# Altium PCB PCB_FINAL_5.PcbDoc (part 2 of 2) (continued)
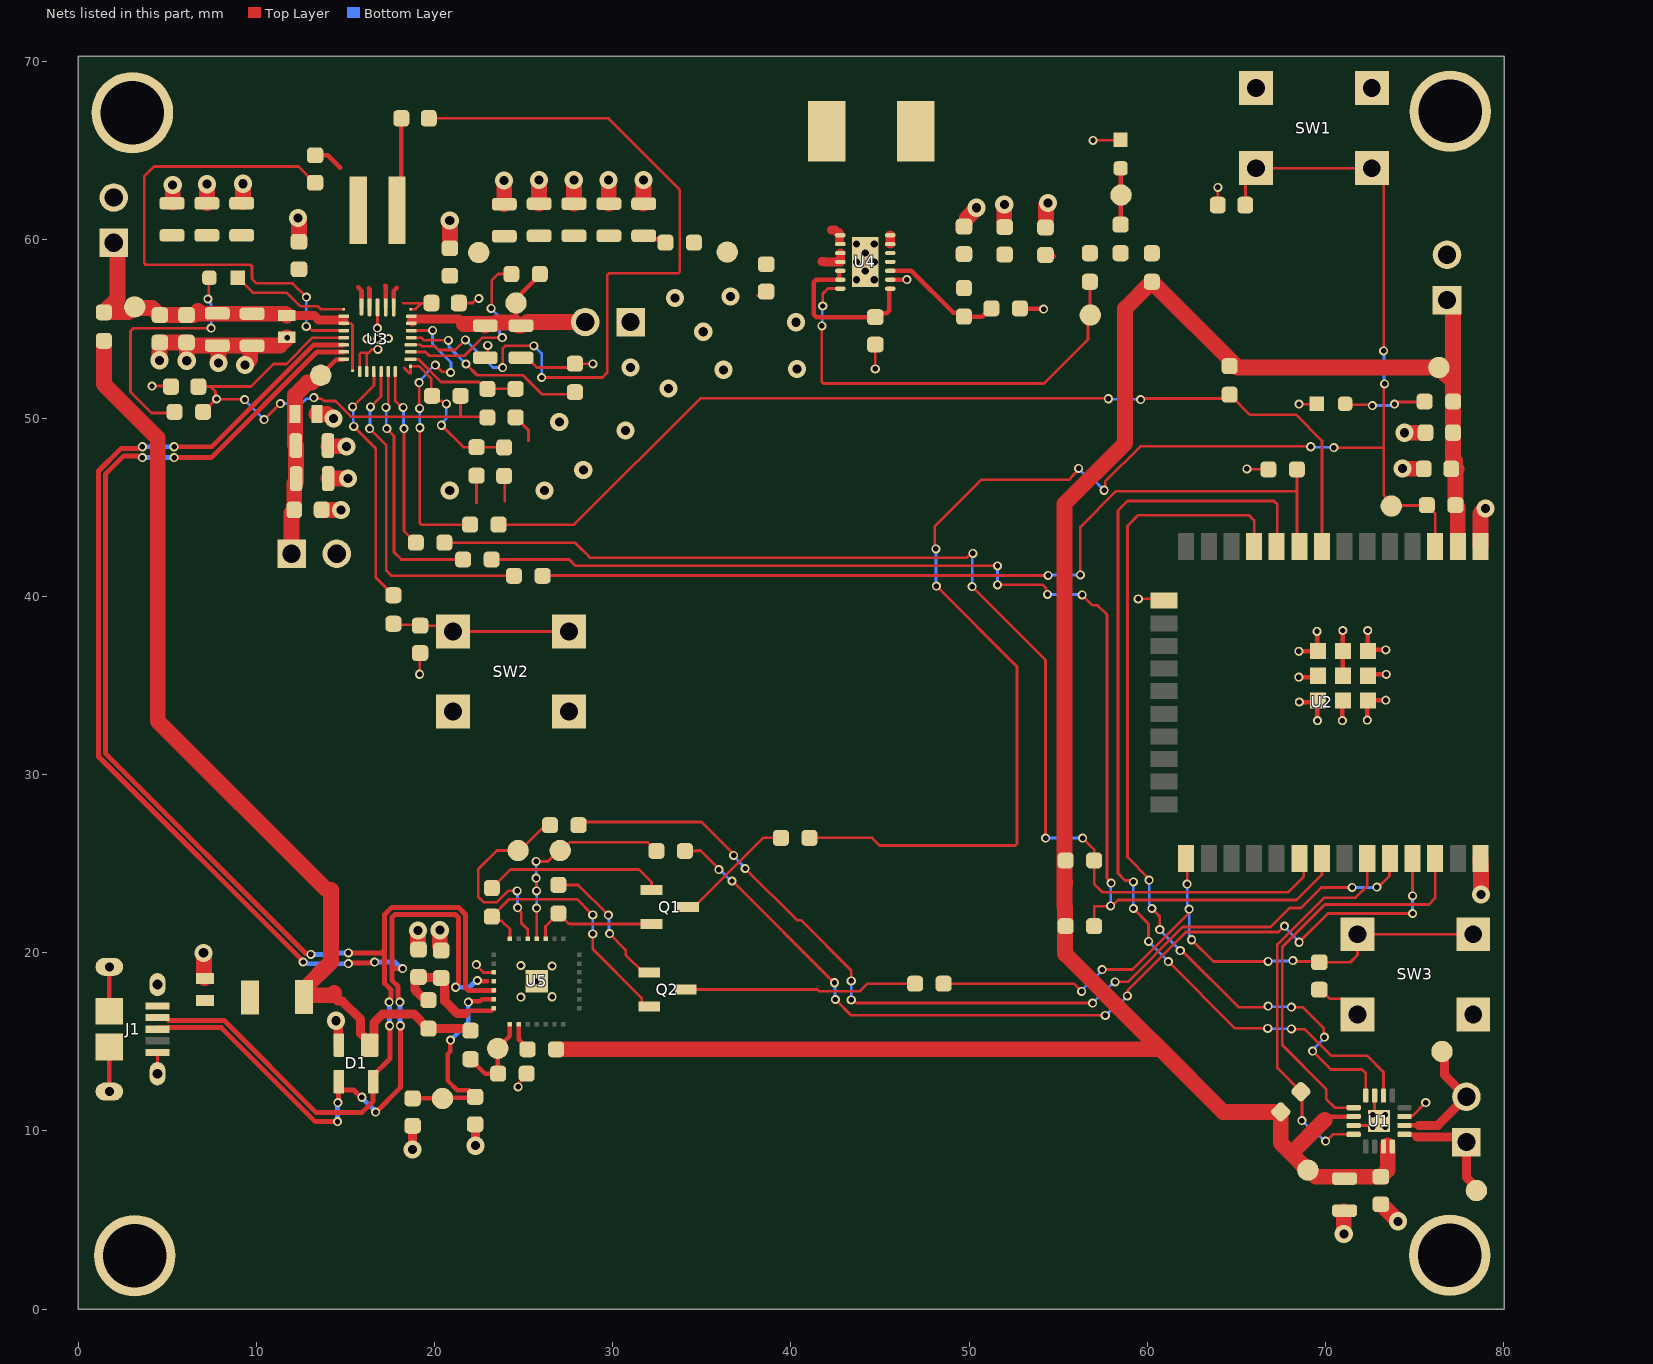
[diagram p2: the nets of this part, all layers, seen from the top]
## Nets (pads, with @x,y where several pads share a name; then routed paths per layer and width w, separated by ;. In a path a pad name is that pad's centre, name@x,y a point inside that pad or via, vN(x,y) a via of type N, cw(c..) or ccw(c..) an arc to the next point about the centre after c; other vN are vias at no path point)
5V_DC_IN: D1.1 F1.1 R2.1 R20.2 R40.1 | length 55.6
  Top Layer w0.152: 13.868,23.597 14.109,23.597 14.199,23.507
  Top Layer w0.508: 14.376,17.729 14.376,17.479 14.572,17.283 14.822,17.283 15.85,16.256 15.85,15.471 16.358,14.963 D1.1@16.358,14.808 16.599,15.049 16.599,16.065 17.094,16.561 18.834,16.561 R40.1@19.66,15.735 21.907,15.735 R20.2@22.022,15.621
  Top Layer w0.889: R2.1@1.448,54.331 1.448,51.892 4.47,48.87 4.47,32.995 13.868,23.597 ; F1.1@12.675,17.501 12.675,17.564 12.725,17.615 14.371,17.615 14.376,17.62 14.376,17.729 ; F1.1@12.675,17.958 14.199,19.482 14.199,23.507
BCLK: U1.16 U2.11 | length 50.2
  Top Layer w0.152: v1(60.096,24.074) 60.096,24.141 58.877,25.36 58.877,43.942 59.487,44.552 65.684,44.552 65.989,44.247 65.989,42.792 U2.11@65.985,42.788 ; v1(60.249,22.479) 60.692,22.036 v1(60.692,21.293) ; v1(61.843,20.116) 61.926,20.116 65.1,16.942 66.718,16.942 v1(66.773,16.996) ; v1(68.072,16.942) 68.707,16.942 69.901,15.748 69.901,15.291 v1(69.926,15.265) ; v1(69.266,14.478) 70.293,13.451 72.045,13.451 72.247,13.249 U1.16@72.247,11.979
  Bottom Layer w0.152: v1(60.096,24.074) 60.096,22.728 60.249,22.575 v1(60.249,22.479) ; v1(60.692,21.293) 60.692,21.28 61.843,20.129 v1(61.843,20.116) ; v1(66.773,16.996) 66.8,16.969 68.045,16.969 v1(68.072,16.942) ; v1(69.266,14.478) 69.266,14.541 69.926,15.202 v1(69.926,15.265)
BQ_CE: R22.1 R30.1 U2.9 | length 50.8
  Top Layer w0.152: R30.1@26.06,41.148 26.073,41.161 54.419,41.161 v1(54.432,41.173) ; v1(56.236,41.199) 56.236,43.891 58.242,45.898 68.389,45.898 ; R22.1@68.389,47.117 68.389,45.898 ; U2.9@68.389,43.223 68.389,45.898 ; U2.9@68.389,43.223 68.389,42.923 U2.9@68.525,42.788 68.525,43.088 U2.9@68.389,43.223
  Bottom Layer w0.152: v1(54.432,41.173) 54.445,41.186 56.223,41.186 v1(56.236,41.199)
BQ_INT: R16.1 R29.1 U2.8 | length 56.2
  Top Layer w0.152: R29.1@23.596,44.018 27.833,44.018 34.919,51.105 57.785,51.105 v1(57.81,51.079) ; v1(59.614,51.029) 59.682,51.097 64.559,51.097 R16.1@64.618,51.156 ; R16.1@64.618,51.308 65.735,50.19 68.326,50.19 69.795,48.722 U2.8@69.795,42.788
  Bottom Layer w0.152: v1(57.81,51.079) 57.836,51.054 59.588,51.054 v1(59.614,51.029)
BQ_SCL: R9.1 R33.1 U2.31 | length 68.6
  Top Layer w0.152: R33.1@23.203,42.062 27.559,42.062 27.915,41.707 v1(51.587,41.707) ; v1(51.587,40.637) 54.132,40.637 54.324,40.444 54.324,40.175 v1(54.392,40.107) ; v1(56.332,40.081) 56.925,39.488 57.209,39.488 57.734,38.964 57.734,24.168 57.963,23.94 v1(57.963,23.901) ; R9.1@57.01,21.488 57.01,22.606 57.912,22.606 v1(57.937,22.631) 58.028,22.631 58.358,22.962 68.377,22.962 69.795,24.379 U2.31@69.795,25.288
  Bottom Layer w0.152: v1(51.587,40.637) v1(51.587,41.707) ; v1(54.392,40.107) 54.405,40.094 56.319,40.094 v1(56.332,40.081) ; v1(57.937,22.631) 57.95,22.644 57.95,23.889 v1(57.963,23.901)
BQ_SDA: R7.1 R32.1 U2.30 | length 66.2
  Top Layer w0.152: R32.1@20.548,43.002 27.875,43.002 28.713,42.164 49.866,42.164 50.107,42.405 v1(50.203,42.405) ; v1(50.165,40.538) 54.28,36.424 v1@54.28,26.429 ; v1(56.363,26.429) 57.01,25.781 R7.1@57.01,25.171 57.01,23.849 57.466,23.393 57.85,23.393 67.907,23.393 68.766,24.252 68.766,25.046 U2.30@68.525,25.288
  Bottom Layer w0.152: v1(50.165,40.538) 50.165,42.367 v1(50.203,42.405) ; v1(54.292,26.429) v1(56.363,26.429)
CP_RX: R43.1 U2.35 | length 51.6
  Top Layer w0.152: R43.1@34.049,25.705 34.727,25.705 34.753,25.73 34.925,25.73 35.954,24.701 v1(35.954,24.657) ; v1(36.69,24.022) 36.713,24.022 42.421,18.313 v1(42.443,18.313) ; v1(42.494,17.374) 43.383,16.485 v1(57.633,16.485) ; v1(58.879,17.573) 58.913,17.607 58.913,17.917 62.154,21.158 67.361,21.158 v1(67.691,21.488) ; v1(68.509,20.584) 70.125,22.2 v1(74.879,22.2) ; U2.35@74.875,25.288 74.879,25.283 v1(74.879,23.19)
  Bottom Layer w0.152: v1(35.954,24.657) 36.005,24.657 36.64,24.022 v1(36.69,24.022) ; v1(42.443,18.313) 42.469,18.288 42.469,17.399 v1(42.494,17.374) ; v1(57.633,16.485) 57.682,16.485 57.999,16.801 58.107,16.801 v1@58.874,17.568 ; v1(67.691,21.488) 67.691,21.445 68.509,20.627 v1(68.509,20.584) ; v1(74.879,22.2) v1(74.879,23.19)
CP_TX: R42.1 U2.34 | length 54.7
  Top Layer w0.152: R42.1@28.08,27.33 34.976,27.33 36.78,25.526 v1(36.78,25.456) ; v1(37.431,24.724) 40.331,21.825 40.552,21.825 43.383,18.994 v1(43.383,18.415) ; v1(43.383,17.348) 43.472,17.348 43.65,17.17 v1(56.921,17.17) ; v1(58.191,18.364) 58.903,18.364 61.976,21.438 66.904,21.438 67.97,22.504 68.605,22.504 69.761,23.66 v1(71.488,23.66) ; v1(72.873,23.673) 72.949,23.673 73.578,24.302 73.578,25.261 U2.34@73.605,25.288
  Bottom Layer w0.152: v1(36.78,25.456) 36.78,25.416 37.431,24.764 v1(37.431,24.724) ; v1(43.383,17.348) v1(43.383,18.415) ; v1(56.921,17.17) 58.115,18.364 v1(58.191,18.364) ; v1(71.488,23.66) 72.86,23.66 v1(72.873,23.673)
DIN: U1.1 U2.36 | length 23.2
  Top Layer w0.152: U1.1@71.572,11.304 70.512,11.304 70.028,11.788 70.028,12.344 67.564,14.808 67.564,20.32 69.952,22.708 75.794,22.708 76.145,23.059 U2.36@76.145,25.288
DTR_T: Q2.2 R23.2 U5.28 | length 14.9
  Top Layer w0.152: U5.28@24.23,20.79 24.23,21.325 23.768,21.787 23.45,21.787 R23.2@23.216,22.022 24.193,23 27.649,23 28,23 v1(28.878,22.122) ; v1(28.878,21.058) 28.878,20.195 31.621,17.452 31.621,17.186 31.824,16.982 Q2.2@32.05,16.982
  Bottom Layer w0.152: v1(28.878,21.058) v1(28.878,22.122)
FB: R12.1 R14.2 U4.3 | length 7
  Top Layer w0.254: U4.3@45.536,58.266 46.75,58.266 49.118,55.899 49.499,55.899 R12.1@49.708,55.69 50.735,55.69 51.192,56.147 R14.2@51.245,56.147
GND: C1.1 C2.2 C3.2 C4.2 C5.2 C6.2 C7.2 C8.2 C9.2 C10.2 C11.2 C12.2 C13.2 C14.2 C15.2 C16.2 C18.1 C19.2 C20.2 C22.2 C23.2 C24.2 C25.2 C26.2 C27.2 C28.2 C29.2 C30.2 C31.2 C32.2 C33.2 C34.1 C35.2 C36.2 C37.2 C38.2 C39.2 D1.2 D2.2 D3.2 D6.2 H1.1 H3.2 H4.2 H5.2 J1.5 J1.S1 J1.S2 J1.S3 J1.S4 J1.S5 J1.S6 LED2.C LED3.C MH1.1 MH2.1 MH3.1 MH4.1 R4.2 R11.1 R14.1 R21.1 R22.2 R25.1 R31.2 SW1.3 SW1.4 SW2.1 SW2.2 SW3.1 SW3.2 U1.3 U1.11 U1.15 U1.17 U2.1 U2.15 U2.38 U2.39 U3.10 U3.11 U3.27 U4.2 U4.15 U5.3 U5.29 | length 106.8
  Top Layer w0.152: v1(4.148,51.791) 5.182,51.791 C18.1@5.207,51.765 ; J1.S2@4.453,13.207 J1.5@4.453,14.407 ; C35.2@4.572,54.222 C35.2@4.584,54.234 ; C10.2@5.27,62.051 C10.2@5.309,62.089 ; C39.2@6.057,54.208 C39.2@6.096,54.17 ; D6.2@7.087,18.57 D6.2@7.112,18.545 ; C9.2@7.226,62.051 C9.2@7.239,62.064 ; C6.2@7.81,54.067 C6.2@7.874,54.003 ; C8.2@9.181,62.051 C8.2@9.246,62.115 ; C5.2@14.018,48.451 C5.2@14.057,48.412 ; C4.2@14.029,46.596 C4.2@14.042,46.609 ; U3.10@15.801,52.607 15.801,53.581 15.878,53.658 16.278,53.658 ; U3.11@16.201,52.607 16.201,53.581 16.278,53.658 ; v1(16.795,55.047) 16.801,55.053 U3.27@16.801,56.207 ; v1(16.82,53.853) 16.489,53.853 16.293,53.658 16.278,53.658 ; C32.2@18.667,10.183 C32.2@18.768,10.285 ; C30.2@19.075,20.234 C30.2@19.152,20.158 ; v1@19.138,35.573 19.138,35.598 v1(19.164,35.624) 19.164,36.784 C37.2@19.189,36.809 ; C31.2@20.295,20.369 C31.2@20.574,20.09 ; C38.2@21.364,56.452 22.141,56.452 22.395,56.706 v1(22.491,56.706) ; C33.2@22.273,10.369 C33.2@22.324,10.318 ; v1(22.352,19.329) 22.352,19.279 22.741,18.89 U5.3@23.33,18.89 ; 22.354,45.24 22.354,46.759 R11.1@22.357,46.762 ; C20.2@22.847,53.382 22.987,53.522 v1(22.987,54.077) ; R25.1@23.906,46.749 23.942,46.713 23.942,45.324 ; R4.2@24.548,50.038 25.273,49.314 25.273,48.717 ; v1(24.689,12.471) 24.757,12.539 24.757,12.713 25.171,13.127 R21.1@25.171,13.208 ; C19.2@24.853,53.382 25.203,53.382 25.753,52.832 27.877,52.832 28.086,53.041 28.874,53.041 v1(28.88,53.035) ; 38.125,56.871 38.174,56.871 38.258,56.786 C25.2@38.608,56.786 ; v1(44.729,52.756) C29.2@44.729,54.119 ; C23.2@51.968,61.044 C23.2@51.994,61.019 ; v1(56.947,65.583) 58.471,65.583 LED2.C@58.496,65.608 ; v1(59.487,39.853) 60.825,39.853 U2.15@60.925,39.753 ; C3.2@63.949,61.951 63.953,61.955 63.953,62.937 v1(63.957,62.941) ; v1(65.583,47.142) 65.596,47.13 66.777,47.13 R22.2@66.789,47.117 ; v1(68.504,50.775) 69.469,50.775 LED3.C@69.495,50.8 ; U2.39@69.488,35.461 U2.39@69.565,35.538 ; U2.39@69.491,34.064 U2.39@69.565,34.138 U2.39@69.542,34.115 ; U2.39@69.517,36.985 U2.39@69.565,36.938 U2.39@69.536,36.909 ; C34.1@69.647,17.924 69.719,17.924 70.235,17.409 70.909,17.409 SW3.2@71.783,16.535 ; U2.39@70.939,34.112 U2.39@70.965,34.138 ; C1.1@71.018,5.483 C1.1@71.062,5.526 ; U1.3@71.572,10.304 72.536,10.304 v1(72.641,10.199) ; U2.39@72.336,34.109 U2.39@72.365,34.138 U2.39@72.393,34.166 ; U2.39@72.362,36.941 U2.39@72.365,36.938 U2.39@72.412,36.985 ; U2.39@72.365,35.538 U2.39@72.441,35.614 ; v1(72.641,10.91) 72.747,11.016 U1.15@72.747,11.979 ; U1.11@74.422,10.804 74.476,10.859 74.892,10.859 v1(75.616,11.582) ; U2.1@78.685,42.788 U2.1@78.969,43.072
  Top Layer w0.254: J1.S6@1.753,12.207 J1.S5@1.753,14.707 ; J1.S4@1.753,16.707 J1.S3@1.753,19.207 ; U4.2@45.534,57.771 45.541,57.764 46.503,57.764 v1(46.507,57.76) ; R14.1@52.71,56.147 52.729,56.128 54.159,56.128 v1(54.178,56.109) ; U2.39@68.501,35.461 U2.39@69.488,35.461 ; U2.39@68.501,36.909 U2.39@69.536,36.909 ; U2.39@68.526,34.064 U2.39@69.491,34.064 ; U2.39@69.517,36.985 U2.39@69.517,38.027 ; U2.39@69.542,33.023 U2.39@69.542,34.115 ; U2.39@70.939,33.023 U2.39@70.939,34.112 ; U2.39@70.965,35.538 U2.39@70.965,36.938 U2.39@70.965,38.078 ; U2.39@72.336,33.048 U2.39@72.336,34.109 ; U2.39@72.362,36.941 U2.39@72.362,38.078 ; U2.39@72.393,34.166 U2.39@73.378,34.166 ; U2.39@72.412,36.985 U2.39@73.378,36.985 ; U2.39@72.441,35.614 U2.39@73.403,35.614
  Top Layer w0.508: v2(14.478,16.18) 14.478,16.042 14.597,15.924 14.597,14.849 D1.2@14.638,14.808 ; C32.2@18.667,10.183 18.68,10.183 18.769,10.094 v2(18.771,8.966) v2(18.771,8.966) ; v2(22.301,9.169) 22.287,9.183 22.287,10.281 C33.2@22.324,10.318
  Top Layer w0.889: v2(4.572,53.238) C35.2@4.572,54.222 ; C35.2@4.584,54.234 6.032,54.234 C39.2@6.057,54.208 ; C10.2@5.309,62.089 v2(5.309,63.068) ; C39.2@6.083,54.234 6.103,54.234 6.269,54.067 C6.2@7.81,54.067 C36.2@9.766,54.067 ; v2(6.096,53.213) C39.2@6.096,54.17 ; v3(7.036,19.99) 7.06,19.966 7.06,18.597 D6.2@7.087,18.57 ; C9.2@7.239,62.064 v2(7.239,63.119) ; v2(7.874,53.086) C6.2@7.874,54.003 ; C8.2@9.246,62.115 v2(9.246,63.144) ; v2(9.373,52.984) 9.373,53.019 9.657,53.303 9.657,53.958 C36.2@9.766,54.067 ; D3.2@11.709,54.531 11.709,54.454 11.322,54.067 C36.2@9.766,54.067 ; v2(12.344,61.214) 12.394,61.164 C11.2@12.394,59.889 ; D2.2@13.372,50.229 v2@13.963,50.229 ; C7.2@13.668,44.844 13.668,44.832 v2(14.757,44.831) ; C4.2@14.042,46.609 v2(15.138,46.609) ; C5.2@14.057,48.412 v2(15.062,48.412) ; v2(14.326,49.962) v2@14.376,49.911 ; C30.2@19.075,20.234 v2(19.075,21.234) ; C31.2@20.295,20.369 v2(20.295,21.26) ; v2(20.853,61.087) 20.865,61.075 C26.2@20.865,59.525 ; v2(23.901,63.322) 23.907,63.316 23.907,62.006 C12.2@23.913,62 ; v2(25.857,63.348) 25.863,63.342 25.863,62.031 C13.2@25.869,62.025 ; v2(27.813,63.348) 27.819,63.342 27.819,62.031 C14.2@27.825,62.025 ; v2(29.769,63.348) 29.775,63.342 29.775,62.031 C15.2@29.781,62.025 ; v2(31.725,63.348) 31.731,63.342 31.731,62.031 C16.2@31.737,62.025 ; 49.886,61.222 49.886,61.23 50.419,61.764 v2(50.419,61.798) ; C23.2@51.968,61.044 v2(51.968,61.976) ; C24.2@54.3,60.689 54.3,61.937 v2(54.432,62.069) ; v2(71.018,4.216) C1.1@71.018,5.483 ; C27.2@73.094,5.885 73.114,5.885 74.066,4.932 v2(74.066,4.928) ; v2(74.32,47.168) 74.333,47.155 75.506,47.155 C28.2@75.506,47.163 ; v2(74.422,49.174) C2.2@75.608,49.174 ; U2.38@78.685,25.288 78.685,24.988 78.715,24.958 v2(78.715,23.266) ; U2.1@78.685,42.788 78.685,44.649 v2(78.969,44.933)
  other v1: 73.353,10.199 73.353,10.91 24.841,17.501 26.594,17.526 25.73,18.39 26.594,19.253 24.841,19.279 16.217,54.445 16.801,54.445 17.404,54.462 11.732,54.508
  other v2: 20.853,45.923 26.162,45.923 28.346,47.092 30.709,49.301 27,49.784 33.122,51.664 36.22,52.705 40.335,52.756 30.988,52.832 35.077,54.839 40.284,55.372 33.503,56.744 36.601,56.82
LRCLK: U1.14 U2.10 | length 54.3
  Top Layer w0.152: v1(59.207,22.479) 60.063,21.623 v1(60.063,20.638) ; v1(59.207,23.978) 59.139,24.046 58.753,24.046 58.344,24.455 58.344,44.806 58.877,45.339 67.094,45.339 67.183,45.25 67.195,45.25 67.285,45.16 67.285,42.818 U2.10@67.255,42.788 ; v1(61.179,19.496) 64.921,15.754 v1(66.751,15.754) ; v1(68.072,15.723) 68.084,15.711 68.82,15.711 70.307,14.224 72.314,14.224 73.247,13.291 U1.14@73.247,11.979
  Bottom Layer w0.152: v1(59.207,22.479) v1(59.207,23.978) ; v1(60.063,20.638) 60.063,20.625 61.179,19.509 v1(61.179,19.496) ; v1(66.751,15.754) 66.767,15.738 68.056,15.738 v1(68.072,15.723)
NetC3_1: C3.1 R15.1 R39.2 SW1.1 SW1.2 TP2.1 U2.3 | length 92.8
  Top Layer w0.152: R39.2@41.034,26.441 44.542,26.441 44.974,26.01 52.59,26.01 52.68,26.099 52.68,36.043 v1(48.158,40.564) ; v1(48.128,42.656) 48.073,42.711 48.073,43.933 50.673,46.533 55.601,46.533 55.835,46.767 55.835,46.789 56.137,47.092 v1(56.137,47.17) ; v1(57.571,45.945) 57.628,46.001 57.628,46.428 59.612,48.412 69.139,48.412 v1(69.164,48.387) ; C3.1@65.489,61.951 65.507,61.968 65.507,63.433 SW1.2@66.092,64.019 SW1.1@72.592,64.019 73.254,63.357 v1(73.254,53.772) ; v1(70.46,48.336) 73.228,48.336 73.254,48.362 ; v1(73.304,51.918) 73.254,51.867 73.254,48.362 ; U2.3@76.145,42.788 76.145,44.645 R15.1@75.679,45.11 75.654,45.085 73.711,45.085 TP2.1@73.685,45.06 73.685,45.241 73.254,45.673 73.254,48.362
  Bottom Layer w0.152: v1(48.128,42.656) 48.143,42.641 48.143,40.579 v1(48.158,40.564) ; v1(56.137,47.17) 56.726,46.581 56.935,46.581 v1(57.571,45.945) ; v1(69.164,48.387) 69.19,48.362 70.434,48.362 v1(70.46,48.336) ; v1(73.254,53.772) 73.279,53.746 73.279,51.943 v1(73.304,51.918)
NetC6_1: C6.1 C35.1 C36.1 C39.1 D3.1 H4.1 R2.2 TP4.1 U3.2 U3.3 U3.9 | length 22.3
  Top Layer w0.152: U3.3@14.901,55.307 15.312,55.307 15.401,55.218 U3.9@15.401,52.657
  Top Layer w0.254: H4.1@1.448,59.273 H4.1@2.005,59.83
  Top Layer w0.508: D3.1@11.709,55.756 13.256,55.756 13.513,55.499 14.868,55.499 14.91,55.457
  Top Layer w0.889: H4.1@2.005,59.83 2.21,59.625 2.21,56.693 R2.2@1.448,55.931 1.453,55.936 2.791,55.936 3.091,56.236 TP4.1@3.175,56.236 3.235,56.176 4.162,56.176 4.564,55.774 C35.1@4.584,55.774 C39.1@6.083,55.774 ; C39.1@6.083,55.774 6.498,55.774 6.731,56.007 6.885,55.853 C36.1@9.766,55.853 11.654,55.853 11.709,55.797 D3.1@11.709,55.756
NetC8_1: C8.1 C9.1 C10.1 C11.1 U3.29 | length 1.2
  Top Layer w0.254: 15.723,57.328 15.901,57.149 U3.29@15.901,56.232
NetC12_1: C12.1 C13.1 C14.1 C15.1 C16.1 C26.1 R34.2 TP5.1 U3.25 | length 2.5
  Top Layer w0.254: U3.25@17.701,56.207 17.701,57.122 17.882,57.302 ; C16.1@31.737,60.225 31.928,60.033 32.764,60.033 R34.2@32.956,59.842
NetC17_1: C17.1 U3.4 | length 29.2
  Top Layer w0.152: v1(12.801,55.14) 12.898,55.14 13.131,54.907 U3.4@14.901,54.907 ; v1(12.805,56.778) 12.027,57.556 10.008,57.556 9.754,57.81 9.754,58.509 9.664,58.598 3.798,58.598 3.708,58.687 3.708,63.551 4.267,64.11 12.367,64.11 13.276,63.2 C17.1@13.296,63.2
  Bottom Layer w0.152: v1(12.801,55.14) 12.803,55.142 v1(12.805,56.778) v1(12.805,56.778)
NetC17_2: C17.2 L1.2 U3.28 | length 2.8
  Top Layer w0.254: C17.2@13.296,64.74 14,64.74 14.707,64.033 ; 16.307,57.277 16.351,57.232 U3.28@16.351,56.207
NetC19_1: C19.1 C20.1 H1.2 R5.2 TP6.1 U3.22 U3.23 | length 13
  Top Layer w0.254: C19.1@24.853,55.182 24.793,55.182 24.574,55.401 TP6.1@24.574,56.452 24.574,56.691 25.907,58.024 R5.2@25.907,58.077
  Top Layer w0.508: 18.71,55.457 U3.22@18.77,55.397 ; 18.951,55.557 21.38,55.557
  Top Layer w0.889: 21.661,55.276 22.752,55.276 C20.1@22.847,55.182 22.941,55.276 23.394,55.276 23.482,55.364 24.51,55.364 24.692,55.182 C19.1@24.853,55.182 24.728,55.182 C19.1@24.633,55.276 ; C19.1@25.217,55.385 H1.2@28.46,55.385
NetC21_1: C21.1 L1.1 U3.26 | length 6.5
  Top Layer w0.254: 17.247,57.429 17.251,57.425 U3.26@17.251,56.207 ; L1.1@17.894,61.659 18.14,61.905 C21.1@18.14,66.815
NetC21_2: C21.2 U3.19 | length 44.7
  Top Layer w0.152: U3.19@18.664,54.107 19.223,54.107 19.304,54.026 20.015,54.026 20.22,53.821 21.16,53.821 v1(21.726,54.387) ; C21.2@19.68,66.815 29.756,66.815 33.756,62.815 33.756,58.204 33.667,58.115 29.782,58.115 29.693,58.026 29.693,52.553 29.413,52.273 v1(26.01,52.273) ; v1(23.825,52.832) 23.825,53.899 23.978,54.051 v1(25.578,54.051)
  Bottom Layer w0.152: v1(21.726,54.387) 23.281,52.832 v1(23.825,52.832) ; v1(25.578,54.051) 26.01,53.619 v1(26.01,52.273)
NetC22_1: C22.1 C23.1 C24.1 R12.2 R13.2 R17.1 R37.1 U4.4 U4.5 | length 0.4
  Top Layer w0.254: C24.1@54.606,59.212 54.61,59.216 54.752,59.074 ; R13.2@56.628,59.387 R13.2@56.769,59.245
NetC29_1: C29.1 U4.1 U4.12 U4.13 | length 9.5
  Top Layer w0.254: U4.12@42.712,58.266 42.712,57.766 42.705,57.76 41.424,57.76 41.275,57.611 41.275,55.808 41.424,55.659 C29.1@44.729,55.659 44.95,55.88 45.363,55.88 45.512,56.029 45.512,57.266 U4.1@45.561,57.266
NetC30_1: C30.1 C31.1 R40.2 U5.7 | length 7.6
  Top Layer w0.254: 21.742,16.586 21.895,16.739 23.179,16.739 U5.7@23.33,16.89
  Top Layer w0.508: R40.2@19.66,17.335 19.464,17.531 19.271,17.531 18.974,17.829 18.974,17.856 18.892,17.938 18.892,18.359 18.941,18.407 18.941,18.427 19.132,18.618 19.152,18.618 19.164,18.605 20.333,18.605 20.345,18.593 20.365,18.593 20.556,18.402 20.556,17.874 20.574,17.856 20.574,17.297 21.285,16.586 21.742,16.586
NetC32_1: C32.1 C33.1 TP16.1 U5.6 | length 11.3
  Top Layer w0.254: C32.1@18.768,11.825 18.772,11.821 20.441,11.821 TP16.1@20.445,11.817 20.491,11.863 22.227,11.863 C33.1@22.273,11.909 ; v1(20.895,15.088) 20.879,15.072 20.879,14.453 20.752,14.326 20.752,12.802 21.275,12.278 C33.1@21.935,12.278 ; v1(21.901,17.224) 21.94,17.263 22.536,17.263 22.663,17.39 U5.6@23.33,17.39
  Bottom Layer w0.254: v1(20.895,15.088) 21.901,16.095 v1(21.901,17.224)
NetC34_2: C34.2 R44.2 SW3.3 SW3.4 U2.25 | length 38.4
  Top Layer w0.152: R44.2@48.565,18.263 55.88,18.263 v1(56.312,17.831) ; v1(57.455,19.05) 59.157,19.05 62.275,22.169 62.275,22.376 v1(62.341,22.442) ; U2.25@62.175,25.288 62.23,25.232 v1(62.23,23.851) ; v1(62.484,20.726) 63.702,19.508 v1(66.769,19.508) ; v1(68.156,19.551) 68.2,19.508 69.604,19.508 C34.2@69.647,19.464 71.382,19.464 71.783,19.865 SW3.3@71.783,21.035 SW3.4@78.283,21.035
  Bottom Layer w0.152: v1(56.312,17.831) 56.312,17.869 57.455,19.012 v1(57.455,19.05) ; v1(62.23,23.851) 62.23,22.649 62.341,22.538 62.341,20.965 62.484,20.823 v1(62.484,20.726) ; v1(66.769,19.508) 66.79,19.53 68.135,19.53 v1(68.156,19.551)
NetC37_1: C37.1 R10.2 SW2.3 SW2.4 | length 10
  Top Layer w0.152: R10.2@17.69,38.456 17.744,38.403 19.136,38.403 C37.1@19.189,38.349 20.721,38.349 SW2.3@21.044,38.026 SW2.4@27.544,38.026
NetC38_1: C38.1 U3.24 | length 2.3
  Top Layer w0.152: 18.251,56.432 19.254,56.432 ; U3.24@18.664,56.107 18.929,56.107 19.254,56.432 ; C38.1@19.824,56.452 19.805,56.432 19.254,56.432
NetD6_1: D6.1 F1.2 J1.1
NetL2_1: L2.1 U4.8 U4.9 | length 0.8
  Top Layer w0.508: 42.284,60.541 42.464,60.541 42.6,60.405 ; 42.688,60.405 42.734,60.359 42.734,59.948
NetL2_2: L2.2 U4.6 U4.7 | length 0.5
  Top Layer w0.508: U4.6@45.571,59.758 U4.7@45.571,60.258
NetLED1_A: LED1.A R6.2 | length 13.9
  Top Layer w0.152: R6.2@5.41,50.343 5.347,50.279 4.127,50.279 2.946,51.46 2.946,54.878 3.106,55.038 v1(7.465,55.038) ; v1(7.284,56.677) 7.325,56.718 7.325,57.833 LED1.A@7.365,57.874
  Bottom Layer w0.152: v1(7.284,56.677) 7.284,56.591 7.465,56.41 v1(7.465,55.038)
NetLED1_C: LED1.C U3.1 | length 6.7
  Top Layer w0.152: LED1.C@8.965,57.874 9.804,57.036 11.697,57.036 12.469,56.263 13.46,56.263 13.616,56.107 U3.1@14.901,56.107
NetLED2_A: LED2.A R17.2 TP10.1 | length 3.2
  Top Layer w0.254: R17.2@58.496,60.846 58.509,60.858 58.509,62.497 TP10.1@58.522,62.509 58.509,62.522 58.509,63.995 LED2.A@58.496,64.008
NetLED3_A: LED3.A R18.2 | length 4.6
  Top Layer w0.152: LED3.A@71.095,50.8 71.145,50.749 72.568,50.749 v1(72.619,50.698) ; v1(73.863,50.775) 73.959,50.775 74.086,50.902 75.527,50.902 R18.2@75.552,50.927
  Bottom Layer w0.152: v1(72.619,50.698) 73.538,50.698 73.547,50.707 73.795,50.707 v1(73.863,50.775)
NetQ1_1: Q1.1 R23.1 | length 10.1
  Top Layer w0.152: R23.1@23.216,23.622 24.26,24.666 31.468,24.666 32.177,23.957 Q1.1@32.177,23.505
NetQ1_3: Q1.3 R39.1 | length 6.8
  Top Layer w0.152: Q1.3@34.219,22.555 34.549,22.555 38.435,26.441 R39.1@39.434,26.441
NetQ2_1: Q2.1 R24.1 | length 7.9
  Top Layer w0.152: R24.1@26.949,23.8 28.062,23.8 v1(29.756,22.105) ; v1(29.82,21.068) 30.726,20.161 30.726,19.876 31.72,18.882 Q2.1@32.05,18.882
  Bottom Layer w0.152: v1(29.756,22.105) 29.788,22.073 29.788,21.099 v1(29.82,21.068)
NetQ2_3: Q2.3 R44.1 | length 13.1
  Top Layer w0.152: Q2.3@34.092,17.932 41.478,17.932 41.567,17.843 43.875,17.843 44.295,18.263 R44.1@46.965,18.263
NetR1_1: R1.1 U1.4 U2.33 | length 21.9
  Top Layer w0.152: v1(68.669,10.579) 68.669,12.142 67.291,13.52 67.291,20.453 69.926,23.089 71.679,23.089 72.335,23.744 U2.33@72.335,25.288 ; v1(70.002,9.423) 70.031,9.423 70.412,9.804 U1.4@71.572,9.804
  Bottom Layer w0.152: v1(68.669,10.579) 69.518,9.73 69.626,9.73 69.932,9.423 v1(70.002,9.423)
NetR3_2: R3.2 R4.1 U3.17 | length 6.6
  Top Layer w0.152: U3.17@18.651,53.307 18.655,53.303 19.087,53.303 20.371,52.019 22.504,52.019 22.889,51.634 24.544,51.634 R4.1@24.548,51.638
NetR5_1: R5.1 U3.18 | length 10.4
  Top Layer w0.152: U3.18@18.676,53.707 19.49,53.707 19.705,53.492 21.673,53.492 22.689,54.508 v1(23.8,54.508) ; v1(23.171,56.147) 23.208,56.183 23.208,57.727 23.558,58.077 R5.1@24.307,58.077
  Bottom Layer w0.152: v1(23.171,56.147) 23.649,55.669 23.649,54.756 23.8,54.605 v1(23.8,54.508)
NetR8_1: R8.1 R11.2 R25.2 U3.16 | length 9.7
  Top Layer w0.152: 18.301,52.807 18.602,52.506 18.651,52.506 U3.16@18.651,52.907 19.121,52.907 19.812,52.216 19.812,51.195 20.044,50.963 20.398,50.963 20.566,50.795 v1(20.662,50.795) ; v1@20.357,49.594 v1(20.383,49.594) 21.615,48.362 R11.2@22.357,48.362 22.363,48.355 23.9,48.355 R25.2@23.906,48.349
  Bottom Layer w0.152: v1(20.383,49.594) 20.383,49.69 20.662,49.969 v1(20.662,50.795)
NetR10_1: R10.1 U3.12 | length 14
  Top Layer w0.152: v1(15.404,50.629) 16.601,51.826 U3.12@16.601,52.607 ; v1(15.469,49.53) 16.7,48.299 16.7,41.046 R10.1@17.69,40.056
  Bottom Layer w0.152: v1(15.404,50.629) 15.444,50.59 15.444,49.554 v1(15.469,49.53)
NetR19_1: R19.1 U5.9 | length 1.6
  Top Layer w0.254: U5.9@24.73,15.99 24.73,15.224 24.74,15.215 24.74,15.115 25.222,14.633 R19.1@25.222,14.58
NetR20_1: R20.1 R21.2 TP13.1 U5.8 | length 5
  Top Layer w0.254: R20.1@22.022,14.021 22.835,13.208 R21.2@23.571,13.208 23.558,13.221 23.558,14.618 TP13.1@23.546,14.63 23.546,14.649 24.23,15.333 U5.8@24.23,15.99
NetR29_2: R29.2 U3.21 | length 17.2
  Top Layer w0.152: U3.21@18.705,54.911 19.884,54.911 v1(19.888,54.915) ; v1(19.132,51.983) 19.147,51.968 19.147,50.56 v1(19.162,50.545) ; v1(19.177,49.454) 19.177,44.107 19.266,44.018 R29.2@21.996,44.018 ; v1(20.047,52.971) 20.422,52.596 20.861,52.596 v1(20.904,52.553)
  Bottom Layer w0.152: v1(19.132,51.983) 19.132,52.06 19.523,52.452 19.523,52.493 20.001,52.971 v1(20.047,52.971) ; v1(19.162,50.545) 19.17,50.537 19.17,49.461 v1(19.177,49.454) ; v1(19.888,54.915) 19.888,54.153 20.93,53.111 20.93,52.578 v1(20.904,52.553)
NetR30_2: R30.2 U3.13 | length 19.1
  Top Layer w0.152: v1(16.358,49.403) 17.297,48.463 17.297,41.44 17.59,41.148 R30.2@24.435,41.148 ; v1(16.408,50.622) 17.001,51.215 U3.13@17.001,52.607
  Bottom Layer w0.152: v1(16.358,49.403) 16.383,49.428 16.383,50.597 v1(16.408,50.622)
NetR31_1: R31.1 U3.20 | length 10.8
  Top Layer w0.152: U3.20@18.701,54.507 19.254,54.507 19.403,54.358 v1(20.779,54.358) ; v1(21.766,53.032) 22.398,52.4 24.968,52.4 26.035,51.333 R31.1@27.991,51.333
  Bottom Layer w0.152: v1(20.779,54.358) 20.799,54.338 20.799,53.999 v1(21.766,53.032)
NetR32_2: R32.2 U3.15 | length 10.1
  Top Layer w0.152: U3.15@17.801,52.607 17.801,50.956 18.161,50.597 v1(18.237,50.597) ; v1(18.288,49.403) 18.288,43.663 R32.2@18.948,43.002
  Bottom Layer w0.152: v1(18.237,50.597) 18.263,50.571 18.263,49.428 v1(18.288,49.403)
NetR33_2: R33.2 U3.14 | length 14.4
  Top Layer w0.152: v1(17.272,50.597) 17.272,50.693 17.401,50.822 U3.14@17.401,52.607 ; v1(17.323,49.403) 17.729,48.997 17.729,42.469 18.136,42.062 R33.2@21.603,42.062
  Bottom Layer w0.152: v1(17.272,50.597) 17.297,50.571 17.297,49.428 v1(17.323,49.403)
NetR42_2: R42.2 TP12.1 U5.26 | length 12.2
  Top Layer w0.152: v1(24.638,23.47) 24.13,23.47 23.482,22.822 22.766,22.822 22.454,23.134 22.454,24.689 23.495,25.73 TP12.1@24.689,25.73 24.799,25.73 26.399,27.33 R42.2@26.48,27.33 ; v1(24.663,22.53) 24.663,22.466 24.867,22.263 24.867,21.666 25.23,21.303 U5.26@25.23,20.79
  Bottom Layer w0.152: v1(24.638,23.47) 24.651,23.457 24.651,22.543 v1(24.663,22.53)
NetR43_2: R43.2 TP14.1 U5.25 | length 11.7
  Top Layer w0.152: v1(25.705,24.181) 25.716,24.17 25.716,23.474 v1(25.727,23.463) ; v1(25.705,25.121) 26.353,25.121 26.962,25.73 TP14.1@27.051,25.73 27.157,25.73 27.627,26.2 31.953,26.2 R43.2@32.449,25.705 ; U5.25@25.73,20.79 v1(25.73,22.504)
  Bottom Layer w0.152: v1(25.705,24.181) v1(25.705,25.121) ; v1(25.727,23.463) 25.73,23.46 v1(25.73,22.504)
OUTN: H2.2 TP8.1 U1.10 | length 7.3
  Top Layer w0.254: U1.10@74.422,10.304 75.23,10.304
  Top Layer w0.508: 75.23,10.304 76.294,10.304 H2.2@77.902,11.913 76.663,13.152 76.663,14.32 TP8.1@76.53,14.453
OUTP: H2.1 TP9.1 U1.9 | length 6.6
  Top Layer w0.254: U1.9@74.422,9.804 74.445,9.781 75.004,9.781 75.133,9.652
  Top Layer w0.508: 75.133,9.652 77.622,9.652 H2.1@77.902,9.373 77.902,7.401 78.461,6.842 TP9.1@78.461,6.655
PG: R13.1 TP15.1 U4.14 | length 25.3
  Top Layer w0.152: v1(41.732,55.169) 41.732,52.02 41.821,51.931 54.191,51.931 56.667,54.408 56.667,55.651 TP15.1@56.794,55.778 56.782,55.791 56.782,57.633 R13.1@56.769,57.645 ; v1(41.783,56.286) 41.783,56.972 42.077,57.266 U4.14@42.712,57.266
  Bottom Layer w0.152: v1(41.732,55.169) 41.758,55.194 41.758,56.261 v1(41.783,56.286)
REG_3V3: C1.2 C2.1 C27.1 C28.1 H5.1 R1.2 R7.2 R9.2 R15.2 R16.2 R18.1 R19.2 R37.2 TP1.1 TP7.1 U1.2 U1.7 U1.8 U2.2 | length 136.8
  Top Layer w0.254: 70.139,10.804 U1.2@71.572,10.804
  Top Layer w0.889: R19.2@26.822,14.58 60.579,14.58 60.655,14.656 ; 55.347,22.581 55.347,23.825 ; 55.347,24.003 55.347,45.187 58.75,48.59 58.75,56.147 R37.2@60.249,57.645 65.062,52.832 TP1.1@76.352,52.832 ; 55.379,23.825 55.379,23.97 ; 55.385,22.581 55.385,19.926 59.69,15.621 60.655,14.656 ; 69.952,10.617 68.068,8.734 ; C27.1@73.094,7.425 69.462,7.425 69.089,7.798 TP7.1@69.005,7.798 68.068,8.734 ; C27.1@73.114,7.425 73.114,7.445 73.482,7.813 73.482,9.195 ; TP1.1@76.412,52.772 77.152,52.032 ; H5.1@76.81,56.617 77.147,56.279 77.147,50.933 R18.1@77.152,50.927 77.148,50.923 C2.1@77.148,49.174 ; C2.1@77.148,49.174 77.148,47.696 77.257,47.587 77.257,47.237 77.351,47.142 77.285,47.076 77.285,45.116 R15.2@77.279,45.11 77.415,44.975 U2.2@77.415,42.788 ; 60.655,14.656 64.243,11.068 R1.2@67.481,11.068 67.481,9.321 68.068,8.734
REGN: C18.2 R3.1 R6.1 R8.2 U3.5 | length 29
  Top Layer w0.152: C18.2@6.747,51.765 9.703,51.765 10.973,53.035 11.684,53.035 13.156,54.507 U3.5@14.901,54.507 ; R6.1@7.01,50.343 7.027,50.343 v1@7.751,51.067 ; 7.435,51.755 7.71,51.48 7.71,51.125 7.787,51.048 9.328,51.048 v1(9.347,51.029) ; v1(10.439,49.911) 10.445,49.911 11.344,50.81 v1(11.35,50.81) ; v1(13.234,51.147) 13.302,51.079 13.669,51.079 13.793,50.954 14.451,50.954 15.34,50.065 21.462,50.065 ; R8.2@21.462,51.245 21.462,50.065 ; R3.1@22.967,50.03 22.932,50.065 21.462,50.065
  Bottom Layer w0.152: v1(9.347,51.029) 9.347,51.016 10.439,49.924 v1(10.439,49.911) ; v1(11.35,50.81) 12.532,50.81 12.8,51.079 13.166,51.079 v1(13.234,51.147)
  other v1: 7.768,51.067
RTS_T: Q1.2 R24.2 U5.24 | length 7.2
  Top Layer w0.152: U5.24@26.23,20.79 26.23,21.48 R24.2@26.949,22.2 27.544,21.605 Q1.2@32.177,21.605
SOLAR_IN: C4.1 C5.1 C7.1 D2.1 H3.1 TP3.1 U3.8 | length 12.5
  Top Layer w0.254: TP3.1@13.614,52.4 14.494,53.28 14.874,53.28 U3.8@14.901,53.307
  Top Layer w0.889: H3.1@11.975,42.38 11.975,44.671 12.128,44.824 C7.1@12.128,44.844 12.128,46.334 12.229,46.435 C4.1@12.229,46.596 12.224,46.602 12.224,48.445 C5.1@12.218,48.451 ; C5.1@12.176,48.493 D2.1@12.176,50.211 ; D2.1@12.176,50.229 12.176,51.292 12.878,51.994 13.124,51.994 13.53,52.4 TP3.1@13.614,52.4
USB_N: D1.4 J1.2 U3.7 U5.5 | length 88.7
  Top Layer w0.277: v1(3.607,47.777) 3.563,47.822 3.399,47.822 3.341,47.88 2.567,47.88 1.549,46.863 1.549,31.171 12.767,19.954 13.012,19.954 v1(13.057,19.91) ; J1.2@4.453,16.357 4.928,16.357 5.09,16.194 8.203,16.194 13.373,11.024 15.916,11.024 16.558,11.665 D1.4@16.558,12.758 16.558,13.113 17.501,14.056 17.501,15.875 v1(17.475,15.9) ; v1(5.385,47.777) 7.468,47.777 13.397,53.707 U3.7@14.901,53.707 U3.7@14.901,53.703 ; v1(15.164,19.99) 17.001,19.99 17.204,20.193 ; v1(17.45,17.221) 17.494,17.265 17.494,17.429 17.553,17.487 17.553,17.931 17.204,18.279 17.204,20.193 ; U5.5@23.33,17.89 21.895,17.89 21.74,18.044 21.74,22.141 21.341,22.54 17.604,22.54 17.204,22.141 17.204,20.193
  Bottom Layer w0.277: v1(3.607,47.777) v1(5.385,47.777) ; v1(13.057,19.91) 14.048,19.91 14.128,19.99 v1(15.164,19.99) ; v1(17.45,17.221) 17.462,17.209 17.462,15.913 v1(17.475,15.9)
USB_P: D1.3 J1.3 U3.6 U5.4 | length 94.5
  Top Layer w0.277: v1(3.607,48.387) 3.563,48.343 3.399,48.343 3.341,48.284 2.399,48.284 1.145,47.03 1.145,31.004 12.626,19.524 v1(12.626,19.478) ; J1.3@4.453,15.707 4.514,15.768 5.112,15.768 5.134,15.79 8.035,15.79 13.31,10.516 v1(14.554,10.516) ; v1(5.385,48.387) 7.506,48.387 13.226,54.107 U3.6@14.901,54.107 ; v1(14.58,11.582) 14.609,11.611 14.609,12.729 D1.3@14.638,12.758 14.638,12.447 14.794,12.291 15.46,12.291 15.863,11.887 v1(15.926,11.887) ; v1(15.164,19.38) 15.206,19.422 16.591,19.422 v1(16.634,19.465) ; v1(16.693,11.057) 16.721,11.057 18.085,12.421 v1(18.085,15.9) ; v1(18.059,17.221) 18.015,17.265 18.015,17.429 17.957,17.487 17.957,18.099 17.609,18.447 17.609,19.129 ; v1(18.212,19.101) 17.637,19.101 17.609,19.129 ; v1(21.184,18.059) 21.336,18.212 21.336,21.974 21.174,22.136 17.771,22.136 17.609,21.974 17.609,19.129 ; v1(22.403,18.44) 22.447,18.396 22.956,18.396
  Bottom Layer w0.277: v1(3.607,48.387) v1(5.385,48.387) ; v1(12.626,19.478) 12.67,19.434 12.833,19.434 12.887,19.38 v1(15.164,19.38) ; v1(14.554,10.516) 14.567,10.528 14.567,11.55 v1@14.557,11.56 ; v1(15.926,11.887) 15.926,11.856 16.693,11.089 v1(16.693,11.057) ; v1(16.634,19.465) 17.785,19.465 18.149,19.101 v1(18.212,19.101) ; v1(18.059,17.221) 18.072,17.209 18.072,15.913 v1(18.085,15.9) ; v1(21.184,18.059) 21.959,18.059 22.34,18.44 v1(22.403,18.44)
VIN_BB: C25.1 R34.1 TP11.1 U4.10 U4.11 | length 1.5
  Top Layer w0.508: 41.732,58.776 41.859,58.776 41.877,58.758 U4.11@42.771,58.758 U4.10@42.771,59.258
pads on no net: J1.4 U1.5 U1.6 U1.12 U1.13 U2.4 U2.5 U2.6 U2.7 U2.12 U2.13 U2.14 U2.16 U2.17 U2.18 U2.19 U2.20 U2.21 U2.22 U2.23 U2.24 U2.26 U2.27 U2.28 U2.29 U2.32 U2.37 U5.1 U5.2 U5.10 U5.11 U5.12 U5.13 U5.14 U5.15 U5.16 U5.17 U5.18 U5.19 U5.20 U5.21 U5.22 U5.23 U5.27

## Polygon pours and split planes (outlines as drawn)
VIN_BB on Top Layer "VIN_BB_L01_P052" (solid, pour order 52): 33.985,60.808 33.985,58.674 34.62,58.039 40.506,58.039 42.164,58.419 42.164,59.405 41.675,59.405 40.451,60.629
NetL2_2 on Top Layer "NETL2_2_L01_P024" (solid, pour order 24): 45.214,59.666 45.238,59.62 45.387,59.568 45.719,59.568 48.209,61.011 49.53,62.456 49.53,69.85 46.025,69.85 46.025,62.255 45.214,61.445
NetC22_1 on Top Layer "NETC22_1_L01_P027" (solid, pour order 27): 45.295,58.572 47.041,58.572 49.124,56.49 50.267,56.49 51.689,57.912 55.067,57.912 55.476,58.321 61.29,58.321 61.29,60.198 55.55,60.198 55.905,60.198 47.447,60.02 46.203,59.563 45.223,59.408
GND on Top Layer "GND_L01_P046" (solid, pour order 46): 19.71,46.99 19.583,46.863 19.583,44.958 27.407,44.958 34.569,52.121 40.97,52.121 40.97,57.683 40.742,57.683 40.513,57.683 39.675,57.683 39.091,57.683 38.43,57.683 30.328,57.201 30.328,51.841 28.931,50.444 24.605,50.444 24.548,50.388 24.79,50.146 24.79,47.041 21.514,47.041 21.463,46.99
NetC12_1 on Top Layer "NETC12_1_L01_P005" (solid, pour order 5): 17.563,55.715 17.843,55.715 17.817,57.087 22.987,57.216 23.317,59.144 33.528,59.055 33.528,61.107 21.802,61.199 21.526,58.749 18.681,58.458 17.602,57.379
NetD6_1 on Top Layer "NETD6_1_L01_P047" (solid, pour order 47): 3.785,16.789 3.81,16.764 5.232,16.764 5.258,16.739 5.359,16.84 8.712,16.84 9.207,16.345 9.22,16.358 10.211,16.358 10.211,18.567 10.071,18.707 8.877,18.707 8.052,17.882 6.147,17.882 5.639,17.374 5.182,17.374 5.182,17.348 5.029,17.196 3.785,17.196
NetL2_1 on Top Layer "NETL2_1_L01_P022" (solid, pour order 22): 43.106,60.292 43.053,60.239 43.053,59.636 42.498,59.554 39.827,62.379 39.827,69.901 43.002,69.901 43.053,69.85 43.008,69.805 43.053,60.412
NetC17_2 on Top Layer "NETC17_2_L01_P000" (solid, pour order 0): 16.192,57.544 16.243,55.69 16.446,55.69 16.446,57.036 16.395,58.484 16.319,64.275 14.363,64.275 14.363,59.22
NetC21_1 on Top Layer "NETC21_1_L01_P003" (solid, pour order 3): 17.157,55.7 17.36,55.7 17.411,57.595 19.103,59.119 19.103,64.275 17.157,64.275 17.157,59.474 17.157,56.655
NetC8_1 on Top Layer "NETC8_1_L01_P011" (solid, pour order 11): 15.796,55.707 16.014,55.766 16.014,57.497 14.493,58.776 11.29,58.776 11.29,61.151 4.101,61.151 4.101,58.992 10.326,58.992 10.326,57.941 15.57,57.497
GND on Bottom Layer "GND_L02_P039" (solid, pour order 39): 0.168,70.126 0.119,70.077 0.119,0.125 79.872,0.125 79.872,70.172 79.869,70.175 79.82,70.126

## Keep-outs
Keep-Out Layer:
  the board outline again, w0.254

## Silkscreen, mask and mechanical layers (free items; w line width, h text height)
Top Overlay:
  region: 42.299,35.765 42.301,35.766 42.309,35.765 42.324,35.75 42.326,35.748 42.331,35.742 42.333,35.741 42.339,35.735 42.34,35.733 42.343,35.73 42.346,35.729 42.369,35.705 42.368,35.698 42.357,35.686 42.354,35.685 42.343,35.674 42.341,35.673 42.33,35.662 42.327,35.66 42.319,35.652 42.319,35.651 42.316,35.649 42.31,35.643 42.308,35.642 42.302,35.64 42.299,35.642 42.298,35.646 42.299,35.658 42.3,35.659 42.299,35.662 42.298,35.743 42.299,35.75 42.298,35.754 42.298,35.764
  region: 42.34,35.363 42.335,35.358 42.332,35.357 42.327,35.352 42.326,35.349 42.324,35.347 42.321,35.346 42.315,35.339 42.314,35.338 42.312,35.336 42.305,35.333 42.301,35.332 42.298,35.335 42.297,35.343 42.298,35.44 42.299,35.443 42.298,35.447 42.296,35.455 42.298,35.46 42.301,35.462 42.307,35.458 42.31,35.455 42.313,35.453 42.327,35.439 42.33,35.438 42.338,35.429 42.341,35.428 42.347,35.422 42.354,35.416 42.357,35.414 42.359,35.412 42.361,35.411 42.365,35.406 42.369,35.403 42.371,35.402 42.372,35.397 42.368,35.391 42.358,35.38 42.355,35.379 42.351,35.375 42.35,35.372 42.346,35.369 42.34,35.365 42.34,35.364
  region: 6 vertices and 15 holes, not listed, extent 38.844,34.902 45.626,40.771
  region: 38.945,35.004 38.948,35.007 38.96,35.005 38.982,34.983 38.983,34.98 38.991,34.972 38.995,34.97 39.002,34.962 39.004,34.959 39.008,34.954 39.012,34.953 39.046,34.919 39.044,34.908 39.028,34.892 39.024,34.89 39.008,34.874 39.005,34.873 38.989,34.857 38.986,34.855 38.975,34.844 38.974,34.841 38.97,34.84 38.962,34.831 38.958,34.829 38.949,34.826 38.945,34.828 38.943,34.835 38.946,34.852 38.947,34.853 38.945,34.858 38.944,34.974 38.945,34.983 38.943,34.988 38.944,35.003
  lines w0.254: 0.233,31.09 33.299,31.09 33.299,70.074 0.233,70.074 0.233,31.09 ; 0.533,8.331 12.7,8.331 12.7,22.581 0.533,22.581 0.533,8.331 ; 13.564,4.14 44.12,4.14 44.12,28.296 13.564,28.296 13.564,4.14 ; 33.35,44.78 63.17,44.78 63.17,70.028 33.35,70.028 33.35,44.78 ; 52.116,0.233 79.777,0.233 79.777,22.306 52.116,22.306 52.116,0.233 ; 52.248,24.067 79.705,24.067 79.705,51.994 52.248,51.994 52.248,24.067
  text "TPS BB  / Conv" at 37.211,45.822 h1.52
  text "ESP32  / MCU" at 53.264,32.639 h1.27
  text "BQ25798  / PMIC" at 2.87,32.106 h1.52
  text "By  / Abhirath & Bharath / Rev 5" at 33.899,29.489 h1
  text "Micro USB" at 2.161,8.993 h1
  text "CP2102N (USB-UART)" at 15.799,4.801 h1.52
  text "MAX Audio  / Amplifier" at 52.934,2.108 h1.52

## Text inside footprints (layer, text, board x,y; h text height)
J1: Mechanical 13 "PCB END" at -0.347,17.657 h0.5 r270
U2: Mechanical 13 "ANTENNA" at 82.425,40.038 h1.78 r270